# Altium PCB MOTHER_BOARD_LS1021_v1.0.PcbDoc (part 3 of 15)
Units mm, origin at the board's own origin, x right, y up, seen from the top; angles counter-clockwise.
Board outline 285 x 90.6 mm, 10 copper layers (TOP, GND1, SIGNAL1, GND+PWR1, POWER1, POWER2, GND+PWR2, SIGNAL2, GND2, BOTTOM), stack 1.739 mm thick; 1099 components, 832 nets, 4657 pads, 2737 vias.
Unrouted connection lines stored in the file: 7.
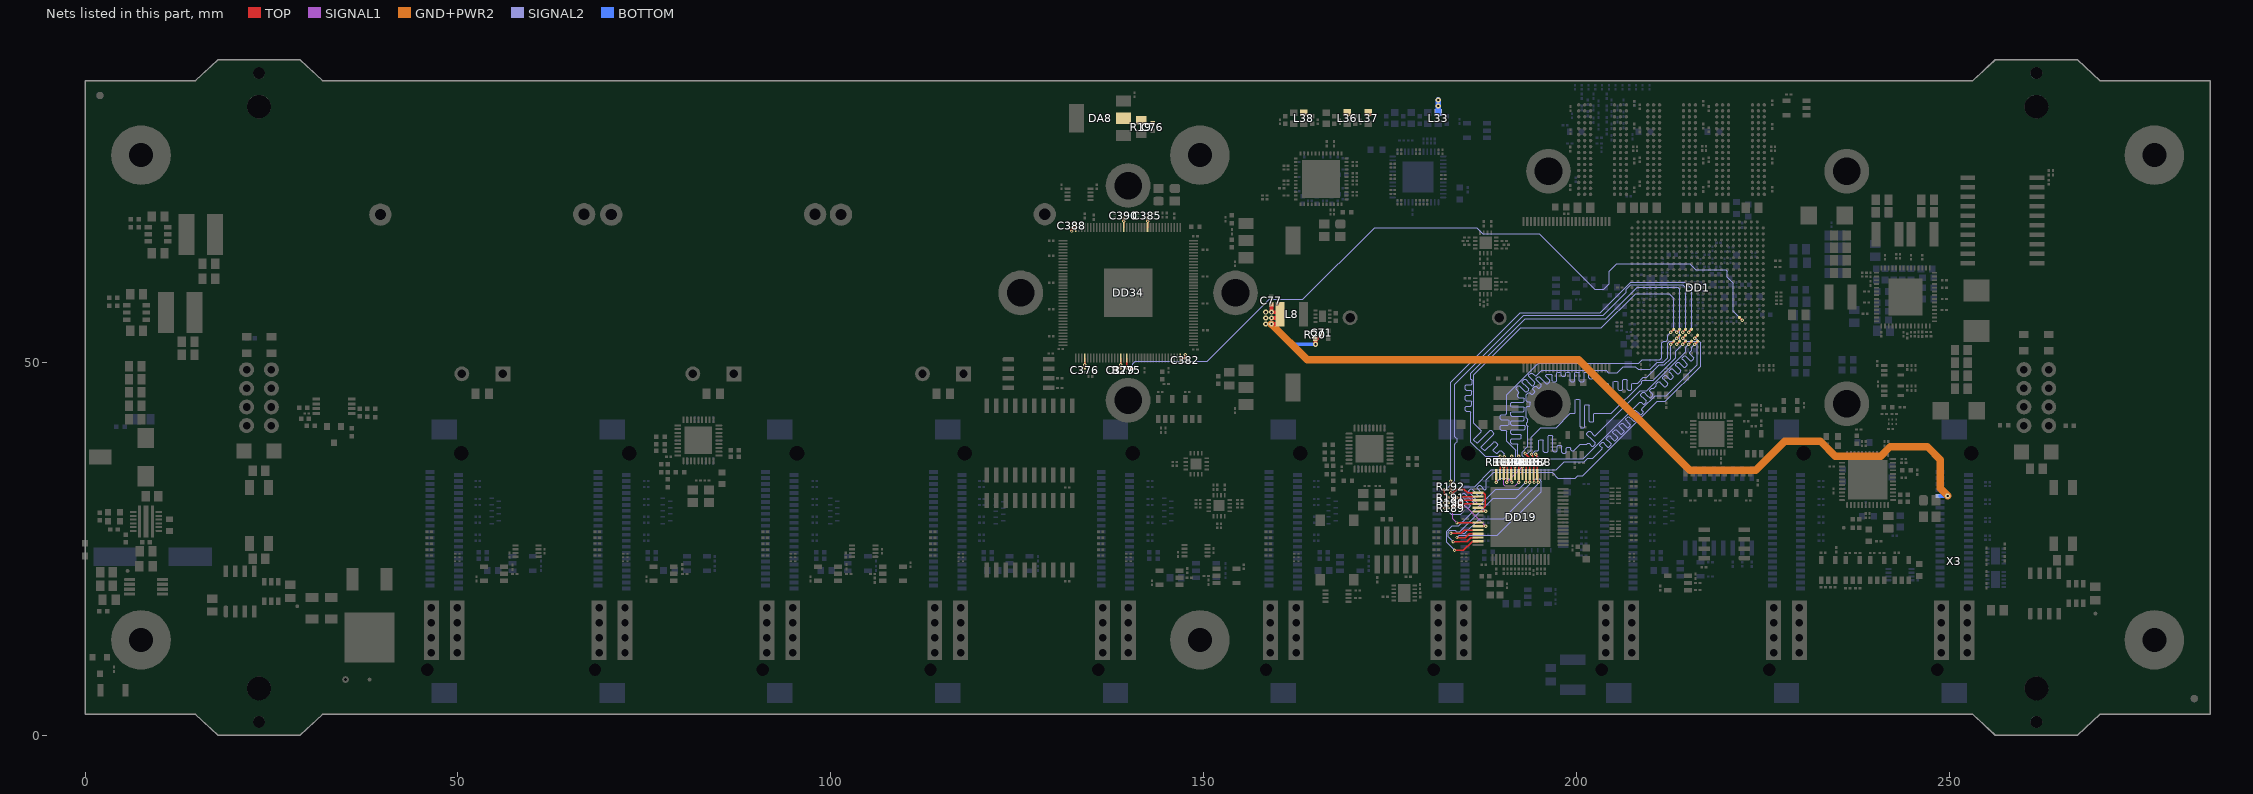
[diagram p11: the nets of this part, all layers, seen from the top]

## Footprints (in the part's own frame and the unit in brackets; to place one, negate y for a bottom-side part, rotate by r counter-clockwise, add the part's x,y. Pads: shape width x height; smd on the part's side, far side on the other; paste and mask are expansions set on the pad) (continued)
QFN48_7x7 [mm]
  rect 1.5x1.5 on Top Paste paste+0 mask+0: 0(-1.75,1.75) 0(-1.75,0) 0(-1.75,-1.775) 0(0,1.75) 0(0,0) 0(0,-1.775) 0(1.75,1.75) 0(1.75,-1.775) 0(1.75,0)
  oval 0.8x0.25 smd paste-0.02 mask+0.05: 1(-3.425,2.75) 12(-3.425,-2.75) 25(3.425,-2.75) 36(3.425,2.75)
  rect 0.8x0.25 smd paste-0.02 mask+0.05: 2(-3.425,2.25) 3(-3.425,1.75) 4(-3.425,1.25) 5(-3.425,0.75) 6(-3.425,0.25) 7(-3.425,-0.25) 8(-3.425,-0.75) 9(-3.425,-1.25) 10(-3.425,-1.75) 11(-3.425,-2.25) 26(3.425,-2.25) 27(3.425,-1.75) 28(3.425,-1.25) 29(3.425,-0.75) 30(3.425,-0.25) 31(3.425,0.25) 32(3.425,0.75) 33(3.425,1.25) 34(3.425,1.75) 35(3.425,2.25)
  oval 0.25x0.8 smd paste-0.02 mask+0.05: 13(-2.75,-3.425) 24(2.75,-3.425) 37(2.75,3.425) 48(-2.75,3.425)
  rect 0.25x0.8 smd paste-0.02 mask+0.05: 14(-2.25,-3.425) 15(-1.75,-3.425) 16(-1.25,-3.425) 17(-0.75,-3.425) 18(-0.25,-3.425) 19(0.25,-3.425) 20(0.75,-3.425) 21(1.25,-3.425) 22(1.75,-3.425) 23(2.25,-3.425) 38(2.25,3.425) 39(1.75,3.425) 40(1.25,3.425) 41(0.75,3.425) 42(0.25,3.425) 43(-0.25,3.425) 44(-0.75,3.425) 45(-1.25,3.425) 46(-1.75,3.425) 47(-2.25,3.425)
  rect 5.3x5.3 smd paste-5 mask+0.05: 49(0,0)
  silkscreen extent -3.5,-3.5 3.5,3.5, body extent -3.5,-3.5 3.5,3.5, height 0.9
QFN-48 [mm]
  rect 1.2x1.2 on Bottom Paste paste+0 mask+0: 0(-1.45,-1.45) 0(-1.45,0) 0(-1.45,1.45) 0(0,0) 0(0,-1.45) 0(0,1.45) 0(1.45,-1.45) 0(1.45,0) 0(1.45,1.45)
  oval 0.85x0.25 smd paste-0.025 mask+0.05: 1(-3.4,2.75) 12(-3.4,-2.75) 25(3.4,-2.75) 36(3.4,2.75)
  rect 0.85x0.25 smd paste-0.025 mask+0.05: 2(-3.4,2.25) 3(-3.4,1.75) 4(-3.4,1.25) 5(-3.4,0.75) 6(-3.4,0.25) 7(-3.4,-0.25) 8(-3.4,-0.75) 9(-3.4,-1.25) 10(-3.4,-1.75) 11(-3.4,-2.25) 26(3.4,-2.25) 27(3.4,-1.75) 28(3.4,-1.25) 29(3.4,-0.75) 30(3.4,-0.25) 31(3.4,0.25) 32(3.4,0.75) 33(3.4,1.25) 34(3.4,1.75) 35(3.4,2.25)
  oval 0.25x0.85 smd paste-0.025 mask+0.05: 13(-2.75,-3.4) 24(2.75,-3.4) 37(2.75,3.4) 48(-2.75,3.4)
  rect 0.25x0.85 smd paste-0.025 mask+0.05: 14(-2.25,-3.4) 15(-1.75,-3.4) 16(-1.25,-3.4) 17(-0.75,-3.4) 18(-0.25,-3.4) 19(0.25,-3.4) 20(0.75,-3.4) 21(1.25,-3.4) 22(1.75,-3.4) 23(2.25,-3.4) 38(2.25,3.4) 39(1.75,3.4) 40(1.25,3.4) 41(0.75,3.4) 42(0.25,3.4) 43(-0.25,3.4) 44(-0.75,3.4) 45(-1.25,3.4) 46(-1.75,3.4) 47(-2.25,3.4)
  rect 4.2x4.2 smd paste-5 mask+0.075: 49(0,0)
  silkscreen extent -3.51,-3.5 3.51,3.51, body extent -3.51,-3.51 3.51,3.51, height 0.78
QFN-56 [mm] "QFN, 56-Leads, Body 8,00x8,00mm, Pitch 0,50mm, Thermal Pad 5,90x5,90mm, IPC Medium Density"
  rect 1.2x1.2 on Top Paste paste+0 mask+0: 0(-1.6,1.85) 0(-1.6,0) 0(-1.6,-1.85) 0(0,1.85) 0(0,0) 0(0,-1.85) 0(1.6,1.85) 0(1.6,0) 0(1.6,-1.85)
  oval 0.69x0.25 smd paste-0.02 mask+0.05: 1(-3.875,3.25) 14(-3.875,-3.25) 29(3.875,-3.25) 42(3.875,3.25)
  rect 0.69x0.25 smd paste-0.02 mask+0.05: 2(-3.875,2.75) 3(-3.875,2.25) 4(-3.875,1.75) 5(-3.875,1.25) 6(-3.875,0.75) 7(-3.875,0.25) 8(-3.875,-0.25) 9(-3.875,-0.75) 10(-3.875,-1.25) 11(-3.875,-1.75) 12(-3.875,-2.25) 13(-3.875,-2.75) 30(3.875,-2.75) 31(3.875,-2.25) 32(3.875,-1.75) 33(3.875,-1.25) 34(3.875,-0.75) 35(3.875,-0.25) 36(3.875,0.25) 37(3.875,0.75) 38(3.875,1.25) 39(3.875,1.75) 40(3.875,2.25) 41(3.875,2.75)
  oval 0.25x0.69 smd paste-0.02 mask+0.05: 15(-3.25,-3.875) 28(3.25,-3.875) 43(3.25,3.875) 56(-3.25,3.875)
  rect 0.25x0.69 smd paste-0.02 mask+0.05: 16(-2.75,-3.875) 17(-2.25,-3.875) 18(-1.75,-3.875) 19(-1.25,-3.875) 20(-0.75,-3.875) 21(-0.25,-3.875) 22(0.25,-3.875) 23(0.75,-3.875) 24(1.25,-3.875) 25(1.75,-3.875) 26(2.25,-3.875) 27(2.75,-3.875) 44(2.75,3.875) 45(2.25,3.875) 46(1.75,3.875) 47(1.25,3.875) 48(0.75,3.875) 49(0.25,3.875) 50(-0.25,3.875) 51(-0.75,3.875) 52(-1.25,3.875) 53(-1.75,3.875) 54(-2.25,3.875) 55(-2.75,3.875)
  rect 4.5x5 smd paste-5 mask+0.075: 57(0,0)
  silkscreen extent -4.01,-4.03 4.01,4.03, body extent -4.01,-4.01 4.01,4.01, height 0.95
R0201 [mm]
  rect 0.4x0.3 smd paste-3 mask+0.05: 1(-0.3,0) 2(0.3,0)
  body extent -0.34,-0.16 0.34,0.17, height 0.34
R0402 [mm] "Р1-12-0,062"
  rect 0.6x0.6 smd paste-0.05 mask+0.05: 1(0.55,0) 2(-0.55,0)
  silkscreen extent -1,-0.45 1,0.45, body extent -0.5,-0.25 0.5,0.25, height 0.3
R0603#1 [mm]
  rect 0.9x0.8 smd paste-0.04 mask+0.05: 1(-0.85,0) 2(0.85,0)
  silkscreen extent -0.23,-0.33 0.23,0.33, body extent -0.8,-0.4 0.8,0.4, height 0.4
R0603#2 [mm] "Р1-12-0,1"
  rect 0.8x0.9 smd paste-0.05 mask+0.05: 1(-0.8,0) 2(0.8,0)
  silkscreen extent -1.35,-0.6 1.35,0.6, body extent -0.9,-0.45 0.9,0.45, height 0.55
R0805 [mm] "Р1-12-0,125"
  rect 1.1x1.4 smd paste-0.05 mask+0.05: 1(-0.9,0) 2(0.9,0)
  silkscreen extent -1.6,-0.85 1.6,0.85, body extent -1.15,-0.67 1.15,0.68, height 0.75
R1206 [mm] "Р1-12-0,25"
  rect 1.2x1.7 smd paste-0.05 mask+0.05: 1(-1.45,0) 2(1.45,0)
  silkscreen extent -2.2,-1 2.2,1, body extent -1.67,-0.86 1.68,0.87, height 0.85
SC70 [mm]
  rect 0.4x0.9 smd paste-0.025 mask+0.05: 1(-0.65,-1.1) 2(0,-1.1) 3(0.65,-1.1) 4(0.65,1.1) 5(-0.65,1.1)
  silkscreen extent -1.07,-0.7 1.07,0.7, body extent -1.07,-0.7 1.07,0.7, height 1.1
SMA(DO-214AC) [mm]
  rect 2x2 smd paste-0.1 mask+0.05: 1(-2,0) 2(2,0)
  silkscreen extent -2.2,-1.25 2.2,1.25, body extent -2.5,-1.35 2.5,1.35, height 2.2
SMD0302#1 [mm]
  rrect50% 1.4x1.2 smd paste-0.05 mask+0.05: 1(-1.1,-0.85)
  rect 1.4x1.2 smd paste-0.05 mask+0.05: 2(1.1,-0.85) 3(1.1,0.85) 4(-1.1,0.85)
  silkscreen extent -0.28,-1.22 0.28,1.28, body extent -1.6,-1.22 1.6,1.28, height 0.8
SMD0302#2 [mm]
  rrect50% 1.4x1.2 smd paste-0.05 mask+0.05: 1(-1.1,-0.85) 3(1.1,0.85)
  rect 1.4x1.2 smd paste-0.05 mask+0.05: 2(1.1,-0.85) 4(-1.1,0.85)
  silkscreen extent -0.28,-1.22 0.28,1.28, body extent -1.6,-1.22 1.6,1.28, height 0.8
SOD-123 [mm]
  rect 1.25x1.22 smd paste-0.05 mask+0.05: 1(1.475,0) 2(-1.475,0)
  silkscreen extent -1.45,-0.85 1.47,0.85, body extent -1.95,-0.85 1.9,0.85, height 1.42
SOIC8 [mm]
  rrect50% 0.6x1.55 smd paste-0.08 mask+0.05: 1(1.905,2.7)
  rect 0.6x1.55 smd paste-0.08 mask+0.05: 2(0.635,2.7) 3(-0.635,2.7) 4(-1.905,2.7) 5(-1.905,-2.7) 6(-0.635,-2.7) 7(0.635,-2.7) 8(1.905,-2.7)
  silkscreen extent -2.45,-2 2.45,2, body extent -2.45,-2.96 2.45,3.04, height 1.75
"SOIC-16(WIDE) 0.6х2 P1.27" [mm]
  rect 0.6x2 smd paste-0.05 mask+0.05: 1(-4.445,-5) 2(-3.175,-5) 3(-1.905,-5) 4(-0.635,-5) 5(0.635,-5) 6(1.905,-5) 7(3.175,-5) 8(4.445,-5) 9(4.445,5) 10(3.175,5) 11(1.905,5) 12(0.635,5) 13(-0.635,5) 14(-1.905,5) 15(-3.175,5) 16(-4.445,5)
  silkscreen extent -5.1,-3.8 5.13,3.8, body extent -5.1,-5.15 5.1,5.15, height 3.5
SOIC-20(WIDE) [mm]
  rect 2x0.6 smd paste-0.05 mask+0.05: 1(-4.65,5.715) 2(-4.65,4.445) 3(-4.65,3.175) 4(-4.65,1.905) 5(-4.65,0.635) 6(-4.65,-0.635) 7(-4.65,-1.905) 8(-4.65,-3.175) 9(-4.65,-4.445) 10(-4.65,-5.715) 11(4.65,-5.715) 12(4.65,-4.445) 13(4.65,-3.175) 14(4.65,-1.905) 15(4.65,-0.635) 16(4.65,0.635) 17(4.65,1.905) 18(4.65,3.175) 19(4.65,4.445) 20(4.65,5.715)
  silkscreen extent -3.75,-6.4 3.75,6.4, body extent -5.15,-6.4 5.15,6.4, height 2.7
SON-6 [mm] "LSF0101DRYR"
  rrect50% 0.35x0.2 smd paste+0 mask+0.05: 1(-0.275,0.5)
  rrect50% 0.3x0.2 smd paste+0 mask+0.05: 2(-0.3,0) 3(-0.3,-0.5) 4(0.3,-0.5) 5(0.3,0) 6(0.3,0.5)
  silkscreen extent -0.5,-0.8 0.5,0.8, body extent -0.5,-0.75 0.5,0.75, height 0.51
SOT-23 [mm]
  rect 0.8x0.9 smd paste-0.05 mask+0.05: 1(-0.95,-1.1) 2(0.95,-1.1) 3(0,1.1)
  silkscreen extent -1.45,-0.45 1.45,0.65, body extent -1.45,-1.4 1.45,1.4, height 1.3
SOT-23(DBV5) [mm]
  rect 0.6x1.05 smd paste-0.05 mask+0.05: 1(-0.95,-1.35) 2(0,-1.35) 3(0.95,-1.35) 4(0.95,1.35) 5(-0.95,1.35)
  silkscreen extent -1.45,-0.9 1.45,1.18, body extent -1.46,-1.17 1.46,1.17, height 1
SOT-23-6 [mm]
  rect 1x0.6 smd paste-0.05 mask+0.05: 1(-1.3,0.95) 2(-1.3,0) 3(-1.3,-0.95) 4(1.3,-0.95) 5(1.3,0) 6(1.3,0.95)
  silkscreen extent -0.8,-1.4 0.8,1.4, body extent -1.23,-1.4 1.2,1.39, height 1.09
SOT-223 [mm]
  rect 1.5x2 smd paste-0.05 mask+0.05: 1(-2.3,-3.15) 2(0,-3.15) 3(2.3,-3.15)
  rect 3.8x2 smd paste-0.05 mask+0.05: 4(0,3.15)
  silkscreen extent -3.85,-3.35 3.4,1.75, body extent -3.3,-1.75 3.4,1.75, height 1.75
TBU-CA065-200-WH [mm]
  rect 1.85x3.4 smd paste-0.15 mask+0.05: 1(-2.025,0) 3(2.025,0)
  rect 0.8x3.4 smd paste-0.15 mask+0.05: 2(0,0)
  silkscreen extent -3.22,-2 3.28,2, body extent -3.25,-2 3.25,2, height 0.88
TEST_POINT_SMD [mm]
  round 0.5 smd paste-0.5 mask+0.05: 1(0,0)
  silkscreen extent -0.4,-0.4 0.4,0.4
"TQFP-144 (EPAD)" [mm]
  rect 0.21x1.2 smd paste-0.02 mask+0.03: 1(-7,-8.75) 2(-6.6,-8.75) 3(-6.2,-8.75) 4(-5.8,-8.75) 5(-5.4,-8.75) 6(-5,-8.75) 7(-4.6,-8.75) 8(-4.2,-8.75) 9(-3.8,-8.75) 10(-3.4,-8.75) 11(-3,-8.75) 12(-2.6,-8.75) 13(-2.2,-8.75) 14(-1.8,-8.75) 15(-1.4,-8.75) 16(-1,-8.75) 17(-0.6,-8.75) 18(-0.2,-8.75) 19(0.2,-8.75) 20(0.6,-8.75) 21(1,-8.75) 22(1.4,-8.75) 23(1.8,-8.75) 24(2.2,-8.75) 25(2.6,-8.75) 26(3,-8.75) 27(3.4,-8.75) 28(3.8,-8.75) 29(4.2,-8.75) 30(4.6,-8.75) 31(5,-8.75) 32(5.4,-8.75) 33(5.8,-8.75) 34(6.2,-8.75) 35(6.6,-8.75) 36(7,-8.75) 73(7,8.75) 74(6.6,8.75) 75(6.2,8.75) 76(5.8,8.75) 77(5.4,8.75) 78(5,8.75) 79(4.6,8.75) 80(4.2,8.75) 81(3.8,8.75) 82(3.4,8.75) 83(3,8.75) 84(2.6,8.75) 85(2.2,8.75) 86(1.8,8.75) 87(1.4,8.75) 88(1,8.75) 89(0.6,8.75) 90(0.2,8.75) 91(-0.2,8.75) 92(-0.6,8.75) 93(-1,8.75) 94(-1.4,8.75) 95(-1.8,8.75) 96(-2.2,8.75) 97(-2.6,8.75) 98(-3,8.75) 99(-3.4,8.75) 100(-3.8,8.75) 101(-4.2,8.75) 102(-4.6,8.75) 103(-5,8.75) 104(-5.4,8.75) 105(-5.8,8.75) 106(-6.2,8.75) 107(-6.6,8.75) 108(-7,8.75)
  rect 1.2x0.21 smd paste-0.02 mask+0.03: 37(8.75,-7) 38(8.75,-6.6) 39(8.75,-6.2) 40(8.75,-5.8) 41(8.75,-5.4) 42(8.75,-5) 43(8.75,-4.6) 44(8.75,-4.2) 45(8.75,-3.8) 46(8.75,-3.4) 47(8.75,-3) 48(8.75,-2.6) 49(8.75,-2.2) 50(8.75,-1.8) 51(8.75,-1.4) 52(8.75,-1) 53(8.75,-0.6) 54(8.75,-0.2) 55(8.75,0.2) 56(8.75,0.6) 57(8.75,1) 58(8.75,1.4) 59(8.75,1.8) 60(8.75,2.2) 61(8.75,2.6) 62(8.75,3) 63(8.75,3.4) 64(8.75,3.8) 65(8.75,4.2) 66(8.75,4.6) 67(8.75,5) 68(8.75,5.4) 69(8.75,5.8) 70(8.75,6.2) 71(8.75,6.6) 72(8.75,7) 109(-8.75,7) 110(-8.75,6.6) 111(-8.75,6.2) 112(-8.75,5.8) 113(-8.75,5.4) 114(-8.75,5) 115(-8.75,4.6) 116(-8.75,4.2) 117(-8.75,3.8) 118(-8.75,3.4) 119(-8.75,3) 120(-8.75,2.6) 121(-8.75,2.2) 122(-8.75,1.8) 123(-8.75,1.4) 124(-8.75,1) 125(-8.75,0.6) 126(-8.75,0.2) 127(-8.75,-0.2) 128(-8.75,-0.6) 129(-8.75,-1) 130(-8.75,-1.4) 131(-8.75,-1.8) 132(-8.75,-2.2) 133(-8.75,-2.6) 134(-8.75,-3) 135(-8.75,-3.4) 136(-8.75,-3.8) 137(-8.75,-4.2) 138(-8.75,-4.6) 139(-8.75,-5) 140(-8.75,-5.4) 141(-8.75,-5.8) 142(-8.75,-6.2) 143(-8.75,-6.6) 144(-8.75,-7)
  rect 6.5x6.5 smd paste-8 mask+0.05: 145(0,0)
  silkscreen extent -8,-9.12 8,8, body extent -9,-9 9,9, height 1.2
TSOP-48 [mm] "TSSOP, 48-Leads, Body 12,00x18,40mm, Pitch 0,50mm, IPC Medium Density"
  rect 1.25x0.3 smd paste-0.02 mask+0.05: 1(-9.825,5.75) 2(-9.825,5.25) 3(-9.825,4.75) 4(-9.825,4.25) 5(-9.825,3.75) 6(-9.825,3.25) 7(-9.825,2.75) 8(-9.825,2.25) 9(-9.825,1.75) 10(-9.825,1.25) 11(-9.825,0.75) 12(-9.825,0.25) 13(-9.825,-0.25) 14(-9.825,-0.75) 15(-9.825,-1.25) 16(-9.825,-1.75) 17(-9.825,-2.25) 18(-9.825,-2.75) 19(-9.825,-3.25) 20(-9.825,-3.75) 21(-9.825,-4.25) 22(-9.825,-4.75) 23(-9.825,-5.25) 24(-9.825,-5.75) 25(9.825,-5.75) 26(9.825,-5.25) 27(9.825,-4.75) 28(9.825,-4.25) 29(9.825,-3.75) 30(9.825,-3.25) 31(9.825,-2.75) 32(9.825,-2.25) 33(9.825,-1.75) 34(9.825,-1.25) 35(9.825,-0.75) 36(9.825,-0.25) 37(9.825,0.25) 38(9.825,0.75) 39(9.825,1.25) 40(9.825,1.75) 41(9.825,2.25) 42(9.825,2.75) 43(9.825,3.25) 44(9.825,3.75) 45(9.825,4.25) 46(9.825,4.75) 47(9.825,5.25) 48(9.825,5.75)
  silkscreen extent -8.8,-6.05 8.8,6.05, body extent -10.1,-6.05 10.1,6.05, height 1.2
uDFN10 [mm]
  rect 0.2x0.675 smd paste+0 mask+0.05: 1(1,0.44) 2(0.5,0.44) 4(-0.5,0.44) 5(-1,0.44) 6(-1,-0.44) 7(-0.5,-0.44) 9(0.5,-0.44) 10(1,-0.44)
  rect 0.4x0.675 smd paste+0 mask+0.05: 3(0,0.44) 8(0,-0.44)
  silkscreen extent -1.3,-0.55 1.45,0.92, body extent -1.3,-0.55 1.3,0.55, height 0.55
VQFN-16 [mm] "tca6408argtr"
  rect 0.6x0.24 smd paste+0 mask+0.05: 1(-1.4,0.75) 2(-1.4,0.25) 3(-1.4,-0.25) 4(-1.4,-0.75) 9(1.4,-0.75) 10(1.4,-0.25) 11(1.4,0.25) 12(1.4,0.75)
  rect 0.24x0.6 smd paste+0 mask+0.05: 5(-0.75,-1.4) 6(-0.25,-1.4) 7(0.25,-1.4) 8(0.75,-1.4) 13(0.75,1.4) 14(0.25,1.4) 15(-0.25,1.4) 16(-0.75,1.4)
  rect 1.45x1.45 smd paste+0 mask+0.05: 17(0,0)
  silkscreen extent -1.5,-1.5 1.5,1.5, body extent -1.5,-1.5 1.5,1.5, height 1
VSON-10 [mm] "TPS3850"
  rect 0.25x0.34 on Top Paste paste+0 mask+0.05: 0(-0.25,1.53) 0(-0.25,-1.53) 0(0.25,1.53) 0(0.25,-1.53)
  rect 1.5x1.06 on Top Paste paste+0 mask+0.05: 0(0,0.63) 0(0,-0.63)
  rect 0.6x0.24 smd paste+0 mask+0.05: 1(-1.4,1) 2(-1.4,0.5) 3(-1.4,0) 4(-1.4,-0.5) 5(-1.4,-1) 6(1.4,-1) 7(1.4,-0.5) 8(1.4,0) 9(1.4,0.5) 10(1.4,1)
  rect 1.65x2.4 smd paste-5 mask+0.05: 11(0,0)
  TOP region: -0.825,1.2 -0.375,1.2 -0.375,1.7 -0.125,1.7 -0.125,1.2 0.125,1.2 0.125,1.7 0.375,1.7 0.375,1.2 0.825,1.2 0.825,-1.2 0.375,-1.2 0.375,-1.7 0.125,-1.7 0.125,-1.2 -0.125,-1.2 -0.125,-1.7 -0.375,-1.7 -0.375,-1.2 -0.825,-1.2
  silkscreen extent -1.5,-1.5 1.5,1.55, body extent -1.5,-1.5 1.5,1.5, height 0.9
VSSOP8 [mm]
  rrect50% 0.8x0.3 smd paste-0.03 mask+0.05: 1(-1.55,0.75)
  rect 0.8x0.3 smd paste-0.03 mask+0.05: 2(-1.55,0.25) 3(-1.55,-0.25) 4(-1.55,-0.75) 5(1.55,-0.75) 6(1.55,-0.25) 7(1.55,0.25) 8(1.55,0.75)
  silkscreen extent -1.2,-1.05 1.2,1.05, body extent -1.6,-1.05 1.6,1.05, height 0.9
"VSSOP8 P0.65" [mm] "TCA9617B"
  rrect50% 1.45x0.45 smd paste-0.03 mask+0.05: 1(-2.2,0.975)
  rect 1.45x0.45 smd paste-0.03 mask+0.05: 2(-2.2,0.325) 3(-2.2,-0.325) 4(-2.2,-0.975) 5(2.2,-0.975) 6(2.2,-0.325) 7(2.2,0.325) 8(2.2,0.975)
  silkscreen extent -1.5,-1.5 1.5,1.5, body extent -2.52,-1.55 2.52,1.55, height 1.15
"WA-SMSI- 4mm" [mm]
  round 6 / inner round 4.5 / far side round 4.5 hole 3.7: "WA-SMSI M2.5"(0,0)
  body extent -2.55,-2.55 2.55,2.55, height 4
WCAP-ASLL_12.5x14 [mm] "Aluminium Electrolytic V-Chip SMT Capacitors, §¶12.5x14mm"
  rect 5.8x2.5 smd paste-0.1 mask+0.05: 1(5.05,0) 2(-5.05,0)
  silkscreen extent -6.73,-6.73 6.72,6.73, body extent -7.1,-6.72 7.1,6.73, height 14
"WE 79578211" [mm] "Battery Holder"
  round 2 hole 1.3 mask+0.05: 1(-14.755,0) 2(5.245,0)
  silkscreen extent -15.97,-13.37 13.37,13.37, body extent -15.97,-13.38 13.38,13.37, height 9.6
"WE 430152080826" [mm] "SMD Tact Switch, body 6x6mm"
  rect 1.55x1.3 smd paste-0.02 mask+0.05: 1(-3.975,2.25) 2(-3.975,-2.25) 3(3.975,2.25) 4(3.975,-2.25)
  silkscreen extent -3.2,-3.2 3.2,3.2, body extent -4.5,-3.1 4.5,3.1, height 8.03
WE-HCI_7040 [mm] "SMT Flat Wire High Current Inductor, body 6.9x6.9mm"
  rect 2.2x2.7 smd paste-0.1 mask+0.05: 1(0,2.55) 2(0,-2.55)
  silkscreen extent -3.6,-3.6 3.6,3.6, body extent -3.45,-3.5 3.45,3.5, height 4
WE-SL2 [mm] "SMD Common Mode Line Filter"
  rect 2x1.2 smd paste-0.05 mask+0.05: 1(-3.757,1.27) 2(-3.757,-1.27) 3(3.757,-1.27) 4(3.757,1.27)
  silkscreen extent -4.6,-3 4.6,3, body extent -4.6,-3 4.6,3, height 5
WE-VS_0805 [mm] "SMD Varistor, 2-Leads, body 2x1.25mm"
  rect 1x1.3 smd mask+0.05: 1(-1.1,0) 2(1.1,0)
  silkscreen extent -0.48,-0.63 0.48,0.63, body extent -1,-0.62 1,0.63, height 1.2
WEC6R0505QG [mm] "HY/CAP"
  rect 2x2 hole 1.1 paste-0.1 mask+0.05: 1(-2.75,0)
  round 2 hole 1.1 paste-0.1 mask+0.05: 2(2.75,0)
  round 3 hole 1.5 paste-0.1 mask+0.05: 3(-13.65,21.4) 4(13.675,21.35)
  silkscreen extent -10.49,-0.72 10.49,38, body extent -10.49,5 10.49,38, height 11
WSON8 [mm] "tps62065"
  rect 0.5x0.25 smd mask+0.05: 1(-0.95,0.75) 2(-0.95,0.25) 3(-0.95,-0.25) 4(-0.95,-0.75) 5(0.95,-0.75) 6(0.95,-0.25) 7(0.95,0.25) 8(0.95,0.75)
  rect 0.9x1.6 smd paste-10 mask+0.05: 9(0,0)
  silkscreen extent -1.17,-1 1,1.8, body extent -1,-1 1,1, height 0.8
WURTH-LQSH-4020 [mm] "74405042022, 74405042010"
  rect 1.2x3.3 smd paste-0.05 mask+0.05: 1(-1.55,0) 2(1.55,0)
  silkscreen extent -2,-2 2,2.02, body extent -2,-2 2,2.02, height 2
WURTH_744774033 [mm]
  rect 5.5x2.15 smd paste-0.1 mask+0.05: 1(0,1.925) 2(0,-1.925)
  silkscreen extent -2.87,-1.08 2.9,1.02, body extent -2.89,-2.6 2.9,2.6, height 4.5
WURTH_74437346010 [mm]
  rect 3.5x2.95 smd paste-0.2 mask+0.05: 1(0,2.725) 2(0,-2.725)
  TOP pour cut-out: -3.3,1.25 3.3,1.25 3.3,-1.25 3.275,-1.275 -3.3,-1.275
  silkscreen extent -3.3,-3.65 3.3,3.65, body extent -3.3,-3.65 3.3,3.65, height 2.8

## Part data
BQ1 BQ5 BQ6: library part SMD3225, "Резонатор кварцевый DSX321G 25 MHz", TYPE="SMD3225 24.000 MHz"
BQ2 BQ3: library part DSX321G, "Резонатор кварцевый DSX321G 24 MHz"
BQ4: library part DSB211SDN, "Генератор кварцевый DSB211SDN 26 МГц +3,3 В"
C1 C8 C9 C10 C16 C17 C18 C19 C20 C39 C40 C63 C64 C65 C68 C90 C95 C96 C97 C190 C193 C198 C199 C200 C201 C202 C203 C206 C207 C208 C209 C210 C212 C213 C215 C217 C218 C219 C221 C224 C225 C226 C227 C228 C230 C231 C233 C234 C235 C236 C238 C239 C240 C242 C244 C245 C246 C247 C248 C249 C250 C251 C252 C253 C254 C255 C256 C257 C258 C259 C260 C261 C262 C263 C264 C265 C266 C267 C268 C279 C280 C281 C282 C283 C284 C285 C286 C287 C288 C291 C292 C293 C294 C295 C296 C302 C305 C307 C308 C311 C312 C313 C314 C316 C317 C318 C323 C324 C325 C326 C327 C328 C329 C330 C331 C332 C333 C334 C335 C340 C347 C348 C349 C350 C355 C356 C357 C358 C361 C362 C363 C364 C365 C366 C367 C368 C369 C370 C374 C375 C376 C377 C378 C379 C380 C381 C382 C383 C384 C385 C386 C387 C388 C389 C390 C391 C392 C393 C394 C395 C396 C397 C398 C399 C400 C401 C408 C409 C410 C411 C420 C422 C423 C424 C425 C426 C427 C428 C429 C441 C442 C443 C444 C445 C446 C447 C448 C449 C450 C451 C452 C453 C454 C455 C456 C457 C458 C459 C460 C461 C462 C463 C464 C465 C466 C467 C468 C469 C470 C471 C472 C473 C474 C475 C476 C477 C478 C479 C480 C481 C482 C483 C484 C485 C486 C487 C488 C489 C490 C491 C492 C493 C494 C495 C496 C497 C498 C499 C500 C501 C502 C503 C504 C505 C506 C507 C508 C509 C510 C511 C512 C513 C514 C515 C516 C517 C518 C519 C520 C521 C522 C523 C524 C525 C526 C527 C528 C529 C530 C531 C532 C533 C534 C535 C536 C537: library part C0201, "Чип-конденсатор 0,1 мкФ 10 В 0201", TYPE="Чип-конденсатор 0201"
C2 C11 C12 C13 C21 C22 C23 C24 C57 C58 C59 C60 C61 C103 C104 C140 C154 C167 C176 C269 C270: library part C0603, "Чип-конденсатор 4,7 мкФ 10 В 0603", TYPE="Чип-конденсатор 0603"
C3 C5 C7 C36 C55 C110 C111 C112 C194 C195 C196 C197 C289 C290 C306 C343 C344 C345 C346 C351 C352 C353 C354 C359 C360: library part C0201, "Чип-конденсатор 1 мкФ 10 В 0201", TYPE="Чип-конденсатор 0201"
C4: library part C0201, "Чип-конденсатор 0,22 мкФ 6,3 В 0201", TYPE="Чип-конденсатор 0201"
C6 C41 C42 C43 C94 C98 C99 C105 C106 C107 C116 C117 C118 C119 C120 C121 C122 C123 C124 C125 C127 C128 C129 C133 C134 C135 C136 C137 C138 C139 C142 C143 C144 C145 C147 C148 C149 C150 C151 C152 C153 C156 C158 C160 C161 C162 C163 C164 C165 C169 C170 C172 C173 C174 C175 C177 C179 C182 C183 C184 C185 C188 C211: library part C0201, "Чип-конденсатор 0,47 мкФ 10 В 0201", TYPE="Чип-конденсатор 0201"
C14 C15 C25 C26 C62 C81 C82: library part C0805, "Чип-конденсатор 0,1 мкФ  100 В 0805", TYPE="Чип-конденсатор 0805"
C27 C28 C29 C30 C31 C32 C33 C34 C35 C37 C38 C44 C45 C47 C48 C49 C50 C51 C67 C69 C70 C72 C73 C78 C79 C85 C86 C88 C89 C92 C93 C100 C101 C102 C130 C131 C146 C157 C159 C166 C171 C178 C180 C181 C186 C189 C191 C192 C216 C220 C229 C232 C237 C241 C538: library part C0805, "Чип-конденсатор 22 мкФ 25 В 0805", TYPE="Чип-конденсатор 0805"
C46: library part WCAP-ASLL_865060762009, "Чип-конденсатор электролитический WCAP-ASLL 865060762009 220 мкФ 63 В Wurth Elektronik"
C52 C54: library part C0402, "Чип-конденсатор 22 нФ 50 В 0402", TYPE="Чип-конденсатор 0402"
C53 C108 C109 C126 C141 C155 C168 C309: library part C0402, "Чип-конденсатор 2200 пФ 50 В 0402", TYPE="Чип-конденсатор 0402"
C56 C204 C205: library part C0402, "Чип-конденсатор 15 пФ 50 В 0402", TYPE="Чип-конденсатор 0402"
C66 C74 C75 C76 C77 C83 C91 C113 C114 C115 C315 C319 C320 C321 C336 C337 C338 C339 C404 C405 C406 C407 C412 C413 C414 C415 C416: library part C0402, "Чип-конденсатор 10 мкФ 6,3 В 0402", TYPE="Чип-конденсатор 0402"
C71 C297 C298 C299 C300 C341 C342 C371 C372 C402 C403: library part C0201, "Чип-конденсатор 22 пФ 25 В 0201", TYPE="Чип-конденсатор 0201"
C80 C84 C87: library part WCAP-ASLL_865060762009, "Ионистор WEC6R0505QG"
C132 C187: library part CASEC, "Конденсатор танталовый  220 мкФ ±20% 6,3 В Case C"
C214 C222 C223 C243 C310 C417 C418 C419 C421 C430 C431 C432 C433 C434 C435 C436 C437 C438 C439 C440: library part C0201, "Чип-конденсатор 0,01 мкФ 10 В 0201", TYPE="Чип-конденсатор 0201"
C271 C272 C273 C274 C275 C276 C277 C278 C301 C303 C304: library part C0201, "Чип-конденсатор 2,2 мкФ 10 В 0201", TYPE="Чип-конденсатор 0201"
C322: library part C1812, "Чип-конденсатор 2200 пФ 4 кВ 1812", TYPE="Чип-конденсатор 0402"
C373: library part C0402, "Чип-конденсатор 470 пФ ±20% 0402", TYPE="Чип-конденсатор 0402"
DA1: "Микросхема MC34VR500V1ES", Manufactory="NXP Semiconductors", Function="Multi-output DC/DC regulator for  QorIQ LS1/T1 family"
DA2 DA3: "Микросхема LTC4412ES6", Manufactory="Analog Devices", Function="Low Loss PowerPath Controller"
DA4: "Микросхема TL7700CDGKR", Manufactory="Texas Instruments", Function="Supply-Voltage Supervisor"
DA5: "Микросхема TPS54020RUW", Manufactory="Texas Instruments", Function="4.5V to 17V Input 10A Synchronous Step-Down SWIFT™ Converter"
DA6: library part LD1117S12CTR, "Микросхема LD1117S18CTR", Manufactory=STMicroelectronics, Function="Low Drop Fixed +1,8V Voltage Regulator"
DA7: library part LD1117S12CTR, "Микросхема LD1117STR", Manufactory=STMicroelectronics, Function="Low Drop adjustable voltage regulator"
DA8: "Микросхема LD1117S12CTR", Manufactory=STMicroelectronics, Function="Low Drop Fixed +1,2V Voltage Regulator"
DA9: "Микросхема TPS62065DSGR", Manufactory="Texas Instruments", Function="2-A Step-Down DC/DC Converter"
DA10 DA11: library part TPS562209, "Микросхема TPS563209DDC", Manufactory="Texas Instruments", Function="4.5V to 17 V Input 3-A Synchronous Step-Down Voltage Regulator"
DA12: "Микросхема MCP6542-I/MS", Manufactory="Microchip Technology", Function="Dual channels comparator"
DA13: "Микросхема TPS3850H33DRC", Manufactory="Texas Instruments", Function="Precision Voltage Supervisor with Programmable Window Watchdog Timer"
DA14 DA15 DA16 DA17 DA18 DA19 DA20 DA21 DA22 DA23: library part TPS2051B, "Микросхема TPS2051BDBV", Manufactory="Texas Instruments", Function="Ключ с токовым ограничением"
DD1: "Микросхема LS1021AXE7KQB", Manufactory="NXP Semiconductor", Function="QorIQ® Layerscape 1021A Dual-Core Communications Processor with LCD Controller"
DD2: library part 6V49205BNLGI, "Микросхема IDT6V49205BNLGI", Manufactory=IDT, Function="Генератор частот для QorIQ® Layerscape Processors"
DD3 DD4 DD5 DD12 DD25 DD26 DD27 DD28: "Микросхема SN74LVC1G07DBV", Manufactory="Texas Instruments", Function="Single Buffer/Driver With Open-Drain Output"
  DD3: ExtendedDescription="Буфер логический OD"
DD6: "Микросхема SN74LVC2G08DCUR", Manufactory="Texas Instruments", Function="Dual 2-Input Positive-AND Gate"
DD7: library part AT24C32E, "Микросхема 24LC08B-I/SN", Manufactory="Microchip Technology", Function="8K I2C™ Serial EEPROM"
DD8: "Микросхема DS3231SN", Manufactory="Maxim Integrated", Function="Extremely Accurate I2C-Integrated RTC/TCXO/Crystal"
DD9: "Микросхема 74LVC1G126DBV", Manufactory="Texas Instruments", Function="Single non-inverting buffer/bus driver with a 3-state output"
DD10 DD11 DD13: library part K4B4G1646B, "Микросхема K4B4G1646E-BMMA", Manufactory="Samsung Semiconductor", Function="Память DDR3L SDRAM 4Gb (256x16)"
DD14: library part MT29F64G08CBAAAWP-Z:A, "Микросхема MT29F64G08CBABBWP-12IT:B", Manufactory="Micron Technology", Function="Память MLC NAND-flash 64 Гбит"
DD15 DD16: library part USB2514Bi-AEZG, "Микросхема USB2514Bi-AEZG", Manufactory="Texas Instruments", Function="USB 2.0 Hi-Speed Hub Controller"
DD17: "Микросхема TUSB1210BRHB", Manufactory="Texas Instruments", Function="High-speed 480-Mbps USB 2.0 OTG transceiver"
DD18: "Микросхема SN74LVC1G17DCK", Manufactory="Texas Instruments", Function="Single Schmitt-Trigger Buffer"
DD19: "Микросхема TFP410MPAPREP", Manufactory="Texas Instruments", Function="DVI transmitter/serializer"
DD20: "Микросхема LSF0101DRYR", Manufactory="Texas Instruments", Function="Single bi-directional multi-voltage level translator"